# KiCad board pcb.kicad_pcb (continued)
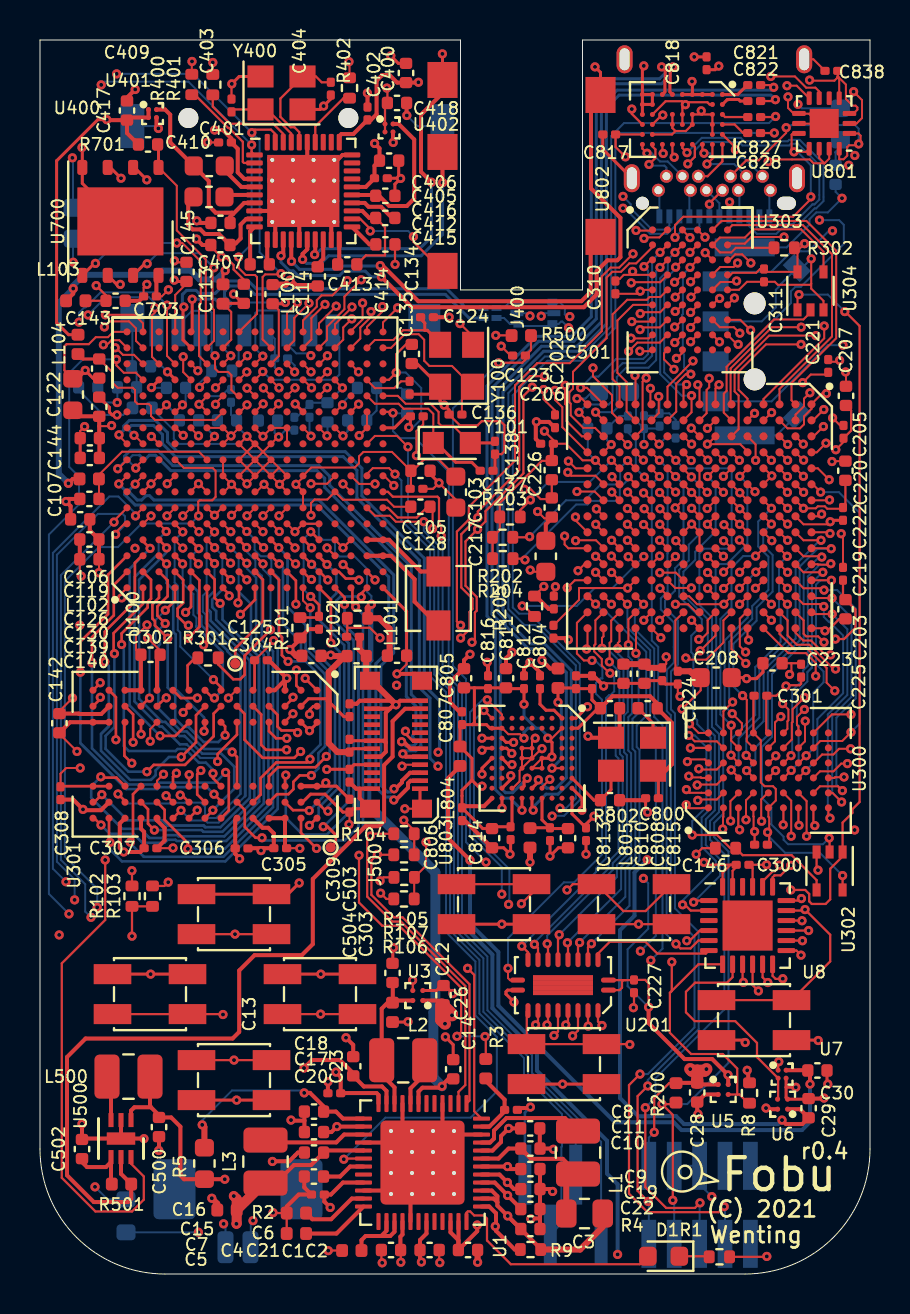
[diagram p0: board, top side]
## Routing (per net, layer and track width the routed paths; a pad name or vN(x,y) marks a point on that pad's centre or on a via; arc(x,y) is an arc through that point) (continued)
CRAMB_A9: length 10.3
  Top w0.1: U303.H3 v1(31.74,46.59) ; U200.F4 34.97,40.7 v1(34.97,40.7)
  In2.Cu w0.1: v1(34.97,40.7) 34.97,41.73 33.8,42.9 32.02,42.9 31.32,43.6 31.32,44.17 30.9,44.59 30.9,45.61 31.02,45.73 31.02,46.24 31.37,46.59 31.73,46.59
CRAMB_A10: length 11.8
  Top w0.1: U200.E3 35.78,41.5 v1(35.78,40.7) ; U303.H4 v1(32.53,46.63)
  In2.Cu w0.1: v1(35.78,40.7) 35.78,41.54 34.21,43.11 32.11,43.11 31.53,43.69 31.53,44.26 31.11,44.68 31.11,45.52 31.23,45.64 31.23,45.82 31.6,46.19 32.07,46.19 32.52,46.63
CRAMB_A11: length 5.6
  Top w0.1: U200.E2 v1(35.73,43.05) ; U303.H5 v1(33.97,46.63)
  In2.Cu w0.1: v1(35.73,43.05) 35.28,43.05 34.37,43.97 34.37,44.66 34.32,44.71 34.32,46.28 v1(33.97,46.63)
CRAMB_A12: length 7.3
  Top w0.1: 31.77,47.37 31.73,47.37 v1(31.73,47.37) ; 31.77,47.37 31.76,47.37 ; 31.77,47.37 U303.G3 ; U200.M3 30.13,42.26 30.13,44.64 v1(30.31,44.82)
  In2.Cu w0.1: v1(30.31,44.82) 30.31,45.61 30.6,45.9 30.6,46.93 31.04,47.37 31.76,47.37
CRAMB_A13: length 5.8
  Top w0.1: v1(30.52,44.3) 30.52,43.56 U200.L1 ; v1(32.53,47.34) 32.51,47.36 U303.G4
  In2.Cu w0.1: 32.51,47.36 32.13,46.98 31.11,46.98 30.81,46.68 30.81,45.81 30.69,45.69 30.69,44.47 v1(30.52,44.3)
CRAMB_A14: length 11.5
  Top w0.1: U303.F3 31.79,48.14 31.76,48.14 v1(31.76,48.15) ; v1(29.39,41.48) 28.97,41.89 U200.N3
  In2.Cu w0.1: 31.77,48.14 31.48,48.43 29.55,48.43 28.13,47.01 28.13,43.87 29.39,42.61 v1(29.39,41.48)
CRAMB_A15: length 7.1
  Top w0.1: v1(32.53,48.1) 32.53,48.1 32.53,48.09 32.88,48.44 U303.F4 ; U200.M1 29.78,44.92 v1(29.75,44.94)
  In2.Cu w0.1: v1(32.53,48.1) 32.2,47.77 32.2,47.76 30.83,47.76 30.39,47.32 30.39,45.99 29.75,45.35 v1(29.75,44.94)
CRAMB_A16: length 6.4
  Top w0.1: U303.E4 32.88,49.19 v1(32.55,48.86) ; v1(32.89,44.48) 32.97,44.39 U200.H1
  In2.Cu w0.1: v1(32.89,44.48) 32.89,44.77 33.17,45.05 33.17,48.38 32.7,48.85 32.5,48.85
CRAMB_A17: length 8.7
  Top w0.1: v1(31.73,49.61) 31.76,49.61 U303.D3 ; U200.H2 33.33,43.06 33.33,44.22 33.46,44.35 v1(33.46,44.8)
  In2.Cu w0.1: v1(33.46,44.8) 33.38,44.88 33.38,48.58 32.71,49.25 32.09,49.25 v1(31.73,49.61)
CRAMB_A18: length 10.8
  Top w0.1: U200.H4 33,41.1 v1(33.39,40.71) ; U303.H1 30.45,46.8 29.56,46.8 v1(29.55,46.81)
  In2.Cu w0.1: v1(33.39,40.71) 32.99,41.11 32.99,41.83 32.91,41.91 31.95,41.91 31.76,42.1 31.5,42.1 31.26,42.34 30.99,42.34 28.95,44.39 28.95,46.21 v1(29.55,46.81)
CRAMB_A19: length 11
  Top w0.1: v1(32.58,41.51) 32.56,41.51 32.18,41.9 ; U303.G2 31,47.35 30.11,47.35 v1(30,47.24)
  In2.Cu w0.1: v1(30,47.24) 29.27,47.24 28.75,46.72 28.75,44.29 30.91,42.13 31.17,42.13 31.41,41.89 31.68,41.89 32.06,41.51 v1(32.58,41.51)
CRAMB_A20: length 5.8
  Top w0.1: v1(36.58,43.09) 36.19,42.7 36.18,42.7 ; v1(34.91,46.5) 34.85,46.5 U303.H6
  In2.Cu w0.1: v1(36.58,43.09) 35.99,43.68 35.39,43.68 34.91,44.16 v1(34.91,46.5)
CRAMB_A21: length 7.4
  Top w0.1: U303.E3 v1(31.76,48.86) ; v1(32.65,45.67) 32.16,45.18 32.16,45.17 31.38,44.38 U200.K1
  In2.Cu w0.1: 31.74,48.86 32.12,48.48 32.72,48.48 32.92,48.28 32.92,45.94 v1(32.65,45.67)
CRAMB_ADVN: length 9.9
  Top w0.1: v1(36.57,40.7) 36.57,40.7 36.18,41.1 ; U303.J3 32.12,46.08 31.83,45.79 v1(31.82,45.8)
  In2.Cu w0.1: v1(36.57,40.7) 36.57,41.07 34.32,43.32 32.19,43.32 31.74,43.77 31.74,44.35 31.32,44.77 31.32,45.41 31.7,45.79 31.83,45.79
CRAMB_CEN: length 8.3
  Top w0.1: U304.2 38.53,48.1 38.17,47.74 36.7,47.74 34.33,45.38 34.33,44.17 34.19,44.03 34.19,43.08 U200.F2
CRAMB_CLK: length 10.8
  Top w0.1: U200.C5 36.97,40.28 v1(37.37,39.89) ; U303.J2 31.2,46.05 31.2,45.75 v1(31.7,45.25)
  In2.Cu w0.1: v1(31.7,45.25) 31.95,45 31.95,43.86 32.28,43.53 34.51,43.53 36.98,41.06 36.98,40.28 v1(37.37,39.89)
CRAMB_CRE: length 14.5
  Top w0.1: U303.A6 34.62,52.47 38.14,52.47 39.6,51.01 39.6,46.89 36.97,44.27 U200.C1
CRAMB_DQ0: length 16.9
  Top w0.1: U200.F3 34.93,42.26 34.93,43.94 34.73,44.14 34.73,45.21 36.46,46.94 v1(38.8,46.94) ; v1(37.2,51.87) 35.57,51.87 35.24,51.54 34.44,51.54 U303.B6
  In2.Cu w0.1: v1(37.2,51.87) 37.2,51.27 38.8,49.67 v1(38.8,46.94)
CRAMB_DQ1: length 13.3
  Top w0.1: U200.A2 38.65,42.7 v1(39.19,43.24) ; v1(33.26,51.08) 33.27,51.08 U303.C5
  In2.Cu w0.1: v1(33.26,51.08) 36.14,51.08 37.44,49.78 37.44,46.27 38.92,44.79 38.92,43.51 v1(39.19,43.24)
CRAMB_DQ2: length 11.4
  Top w0.1: U303.C6 34.48,50.72 34.76,51 35.11,51 v1(35.54,50.57) ; U200.B2 37.78,42.98 38.2,43.41 38.2,43.78 v1(38.49,44.08)
  In2.Cu w0.1: v1(38.49,44.08) 38.54,44.12 38.54,44.88 37.23,46.18 37.23,49.69 36.36,50.57 v1(35.54,50.57)
CRAMB_DQ3: length 12.9
  Top w0.1: v1(34.88,50.57) 34.68,50.37 34.01,50.37 33.62,49.98 U303.D5 ; U200.A3 38.68,41.9 v1(39.17,42.39)
  In2.Cu w0.1: v1(34.88,50.57) 35.26,50.19 36.37,50.19 37.02,49.54 37.02,46.09 37.72,45.39 37.72,44.38 37.82,44.28 37.82,43.74 v1(39.17,42.39)
CRAMB_DQ4: length 13.5
  Top w0.1: v1(39.3,41.56) 38.84,41.1 U200.A4 ; U303.E5 34.02,49.62 34.78,49.62 v1(34.83,49.67)
  In2.Cu w0.1: v1(39.3,41.56) 37.61,43.25 37.61,44.19 37.51,44.29 37.51,45.3 36.81,46 36.81,49.43 36.27,49.97 35.13,49.97 v1(34.83,49.67)
CRAMB_DQ5: length 13.6
  Top w0.1: U303.F5 33.95,48.8 v1(33.98,48.8) ; U200.B4 38.16,40.71 v1(38.18,40.71)
  In2.Cu w0.1: v1(33.98,48.8) 34.45,49.27 34.99,49.27 35.21,49.49 36.46,49.49 36.6,49.34 36.6,45.92 37.3,45.22 37.3,44.2 37.4,44.11 37.4,43.02 38.56,41.86 38.56,41.09 v1(38.18,40.71)
CRAMB_DQ6: length 11.4
  Top w0.1: U200.B3 v1(38.17,41.51) ; U303.F6 v1(34.72,48.82)
  In2.Cu w0.1: v1(34.72,48.82) 34.83,48.82 35.26,49.25 36.39,49.25 36.39,45.83 37.09,45.13 37.09,44.11 37.19,44.02 37.19,42.94 38.17,41.96 v1(38.17,41.51)
CRAMB_DQ7: length 10.3
  Top w0.1: U303.G6 35.01,47.72 v1(35.53,47.21) ; v1(38.17,39.9) 38.17,39.91 U200.B5
  In2.Cu w0.1: v1(35.53,47.21) 35.53,46.34 36.88,44.99 36.88,44.03 36.98,43.93 36.98,42.85 37.78,42.05 37.78,40.29 v1(38.17,39.9)
CRAMB_DQ8: length 12.8
  Top w0.1: U303.B1 30.62,51.37 29.81,50.55 29.47,50.55 29.05,50.13 28.62,50.13 28.33,49.84 28.33,46.81 26.65,45.13 26.65,44.28 26.46,44.1 26.46,43.61 26.53,43.54 26.53,42.95 27.17,42.32 27.75,42.32 28.18,41.9
CRAMB_DQ9: length 10.6
  Top w0.1: v1(30.2,50.39) 30.53,50.72 U303.C1 ; 28.18,43.5 27.34,44.33 v1(27.03,44.33)
  Bottom w0.1: v1(30.2,50.39) 30.4,50.19 30.4,46.01 30.16,45.77 28.8,45.77 27.92,44.89 27.59,44.89 v1(27.03,44.33)
CRAMB_DQ10: length 10.8
  Top w0.1: U303.C2 v1(31,50.35) ; v1(27.78,43.11) 27.78,43.09 28.18,42.7
  Bottom w0.1: 30.81,50.17 30.99,50.35 v1(31,50.35) ; 30.81,50.17 30.81,45.71 30.42,45.33 29.3,45.33 28.84,44.87 28.84,43.31 28.64,43.11 v1(27.78,43.11)
CRAMB_DQ11: length 10.2
  Top w0.1: v1(27.65,45.32) 27.65,44.91 28.6,43.96 28.6,43.08 U200.N2 ; v1(29.56,49.58) 29.59,49.61 31.01,49.61 U303.D2
  In2.Cu w0.1: v1(29.56,49.58) 29.56,48.74 27.65,46.83 v1(27.65,45.32)
CRAMB_DQ12: length 7.9
  Top w0.1: U303.E2 31.02,48.87 30.48,48.87 30.34,48.73 29.36,48.73 28.63,48 28.63,44.76 28.97,44.42 U200.N1
CRAMB_DQ13: length 11.2
  Top w0.1: v1(30.17,40.71) 30.16,40.71 U200.M4 ; v1(30.01,48.04) 30.08,48.11 31.01,48.11 U303.F2
  In2.Cu w0.1: v1(30.01,48.04) 29.46,48.04 28.34,46.92 28.34,44.1 29.77,42.67 29.77,41.11 v1(30.17,40.71)
CRAMB_DQ14: length 7.4
  Top w0.1: U200.M2 29.33,43.14 29.33,44.62 28.87,45.08 28.87,47.69 29.65,48.47 U303.F1
CRAMB_DQ15: length 11.1
  Top w0.1: v1(29.59,47.64) 30.54,47.64 U303.G1 ; 32.18,41.1 32.18,41.08 v1(32.56,40.69)
  In2.Cu w0.1: v1(29.59,47.64) 29.37,47.64 28.55,46.82 28.55,44.19 30.82,41.92 31.08,41.92 31.46,41.54 31.71,41.54 v1(32.56,40.69)
CRAMB_LBN: length 14.3
  Top w0.1: U200.R4 26.11,42.36 26.11,43.36 25.75,43.73 v1(25.75,44.2) ; U303.A1 30.59,52.19 29.81,52.19 v1(29.8,52.2)
  In2.Cu w0.1: v1(25.75,44.2) 25.75,45.53 28.96,48.74 28.96,51.36 v1(29.8,52.2)
CRAMB_OEN: length 13.7
  Top w0.1: U200.R3 27.09,41.9 26.32,42.67 26.32,43.45 26.25,43.52 26.25,44.44 v1(26.26,44.45) ; v1(30.2,51.8) 30.25,51.85 30.97,51.85 31.34,52.22 U303.A2
  In2.Cu w0.1: v1(30.2,51.8) 29.85,51.8 29.17,51.12 29.17,48.65 26.26,45.74 v1(26.26,44.45)
CRAMB_UBN: length 12.1
  Top w0.1: U303.B2 31,51.1 v1(31,51.1) ; v1(26.95,43.1) 27.35,42.7 U200.R2
  Bottom w0.1: v1(26.95,43.1) 27.34,43.49 28.43,43.49 28.63,43.69 28.63,45.06 29.13,45.56 30.24,45.56 30.61,45.93 30.61,50.7 v1(31,51.1)
CRAMB_WAIT: length 10.2
  Top w0.1: U200.G4 33.78,41.1 v1(34.17,40.71) ; v1(29.99,46.16) 30.56,46.16 U303.J1
  In2.Cu w0.1: v1(29.99,46.16) 29.35,45.52 29.35,44.76 31.35,42.76 31.83,42.76 31.9,42.69 33.58,42.69 34.17,42.1 v1(34.17,40.71)
CRAMB_WEN: length 10.5
  Top w0.1: U303.G5 33.99,47.36 34.69,47.36 v1(34.99,47.06) ; U200.C4 37.38,40.7 v1(37.38,40.7)
  In2.Cu w0.1: v1(37.38,40.7) 37.38,40.96 36.19,42.15 36.19,43.13 35.85,43.47 35.16,43.47 34.57,44.06 34.57,44.75 34.52,44.8 34.52,46.88 34.7,47.06 v1(34.99,47.06)
CSI_D0: length 20.1
  Top w0.1: 28.18,35.5 28.18,35.53 27.81,35.9 ; U100.L13 v1(12.75,44.33)
  In2.Cu w0.1: v1(12.75,44.33) 13.17,43.91 18.83,43.91 22.91,39.84 22.91,39.64 23.92,38.63 23.92,37.99 24.42,37.49 24.73,37.49 26.16,36.06 27.62,36.06 v1(27.78,35.9)
CSI_D1: length 18.8
  Top w0.1: U100.M15 v1(13.55,45.12) ; v1(26.77,37.86) 26.77,37.7 U200.R9
  In2.Cu w0.1: v1(26.77,37.86) 26.01,38.63 26.01,39 21.23,43.78 21.23,43.91 20.66,44.48 20.53,44.48 19,46 15.46,46 14.99,45.53 14.06,45.53 13.66,45.12 v1(13.55,45.12)
CSI_D2: length 21.9
  Top w0.1: U100.J12 11.15,43.53 v1(11.16,43.53) ; U200.R12 26.74,34.7 v1(26.36,34.32)
  In2.Cu w0.1: v1(11.16,43.53) 11.16,43.28 11.93,42.51 14.07,42.51 14.12,42.46 17.98,42.46 18.26,42.74 18.82,42.74 22.07,39.49 22.07,39.29 23.08,38.28 23.08,37.14 24.12,36.1 24.61,36.1 26.36,34.35 v1(26.36,34.32)
CSI_D3: length 20.9
  Top w0.1: v1(26.9,35.18) 27.22,35.5 U200.R11 ; v1(11.92,43.53) 11.92,43.5 U100.K12
  In2.Cu w0.1: v1(26.9,35.18) 26.15,35.18 24.83,36.5 24.31,36.5 23.5,37.31 23.5,38.45 22.49,39.47 22.49,39.67 18.7,43.45 17.36,43.45 16.79,42.88 14.29,42.88 14.24,42.93 12.48,42.93 11.92,43.49 v1(11.92,43.53)
CSI_D4: length 22.1
  Top w0.1: v1(27.78,35.1) 27.78,35.09 28.18,34.7 ; U100.K14 v1(11.95,44.33)
  In2.Cu w0.1: v1(11.95,44.33) 12.33,43.94 12.33,43.39 12.58,43.14 14.33,43.14 14.38,43.09 16.7,43.09 17.27,43.66 18.79,43.66 22.7,39.75 22.7,39.56 23.71,38.54 23.71,37.9 24.33,37.28 24.63,37.28 26.12,35.79 27.09,35.79 v1(27.78,35.1)
CSI_D5: length 24.1
  Top w0.1: v1(11.17,44.32) 11.17,44.31 U100.K13 ; v1(28.58,35.09) 28.59,35.09 U200.N12
  In2.Cu w0.1: v1(11.17,44.32) 11.54,43.95 11.54,43.19 12.01,42.72 14.15,42.72 14.2,42.67 17.89,42.67 18.17,42.95 18.91,42.95 22.28,39.58 22.28,39.38 23.29,38.37 23.29,37.22 24.21,36.3 24.7,36.3 26.29,34.71 28.2,34.71 v1(28.58,35.09)
CSI_D6: length 24.3
  Top w0.1: U100.L16 12.71,46.69 12.71,47.82 v1(13.45,48.56) ; U200.M9 29.38,37.5 v1(29.37,37.5)
  In2.Cu w0.1: v1(29.37,37.5) 28.99,37.88 27.62,37.88 27.04,38.45 26.87,38.45 26.43,38.9 26.43,39.17 21.65,43.96 21.65,44.08 20.83,44.9 20.71,44.9 19.12,46.48 14.94,46.48 13.45,47.97 v1(13.45,48.56)
CSI_D7: length 21.3
  Top w0.1: 28.18,38.7 27.73,39.14 v1(26.85,39.14) ; U100.M16 13.57,46.74 13.57,47.82 v1(14.25,48.5)
  In2.Cu w0.1: v1(14.25,48.5) 14.25,47.47 15.03,46.69 19.21,46.69 20.79,45.11 20.92,45.11 21.86,44.17 21.86,44.04 26.76,39.14 v1(26.85,39.14)
CSI_D8: length 20.8
  Top w0.1: U200.M10 29.38,36.7 v1(29.37,36.7) ; v1(14.37,45.93) 14.37,45.92 13.97,45.53 U100.N15
  In2.Cu w0.1: v1(29.37,36.7) 28.98,37.09 27.55,37.09 27.18,37.46 27.18,38.02 26.96,38.24 26.79,38.24 26.22,38.81 26.22,39.08 21.44,43.87 21.44,43.99 20.74,44.69 20.62,44.69 19.09,46.21 14.65,46.21 v1(14.37,45.93)
CSI_D9: length 19.3
  Top w0.1: U100.N17 13.95,47.55 v1(14.81,48.41) ; 28.18,39.5 28.18,39.53 27.77,39.93 26.56,39.93 v1(26.39,40.1)
  In2.Cu w0.1: v1(26.39,40.1) 26.22,40.1 21,45.32 20.88,45.32 19.3,46.9 15.39,46.9 14.81,47.48 v1(14.81,48.41)
CSI_D10: length 20.9
  Top w0.1: v1(15.59,47.77) 15.16,47.34 15.16,46.73 U100.P16 ; v1(29.37,38.29) 29.76,37.9 U200.M8
  In2.Cu w0.1: v1(15.59,47.77) 16.04,47.32 19.47,47.32 21.05,45.74 21.18,45.74 23.69,43.22 24.81,43.22 26.81,41.22 26.81,39.88 28.4,38.29 v1(29.37,38.29)
CSI_D11: length 19.8
  Top w0.1: v1(16.13,48.57) 16.13,47.75 15.55,47.17 U100.R17 ; U200.N7 28.97,38.72 v1(28.59,39.11)
  In2.Cu w0.1: v1(28.59,39.11) 28.08,39.11 27.02,40.17 27.02,41.31 24.89,43.43 23.77,43.43 21.26,45.95 21.14,45.95 19.56,47.53 16.4,47.53 16.13,47.8 v1(16.13,48.57)
CSI_D12: length 19.9
  Top w0.1: v1(16.55,48.14) 16.55,47.88 16.01,47.34 16.01,46.79 U100.R16 ; U200.M7 29.78,38.72 v1(29.38,39.11)
  In2.Cu w0.1: v1(29.38,39.11) 28.99,39.5 28.27,39.5 27.23,40.54 27.23,41.4 24.98,43.64 23.86,43.64 21.35,46.16 21.23,46.16 19.64,47.74 16.95,47.74 v1(16.55,48.14)
CSI_D13: length 17.1
  Top w0.1: v1(15.92,45.12) 15.55,45.5 U100.R15 ; 28.18,36.3 28.18,36.33 27.8,36.7 26.8,36.7 v1(26.78,36.68)
  In2.Cu w0.1: v1(26.78,36.68) 26.78,36.96 25.59,38.15 25.59,38.82 20.81,43.61 20.81,43.73 20.48,44.06 20.36,44.06 19.8,44.61 16.44,44.61 v1(15.92,45.12)
CSI_D14: length 17.4
  Top w0.1: U200.N6 28.97,39.5 v1(28.6,39.88) ; v1(17.12,48.39) 17.12,48.15 16.35,47.38 U100.T17
  In2.Cu w0.1: v1(17.12,48.39) 17.56,47.95 19.73,47.95 21.31,46.37 21.44,46.37 23.95,43.85 25.18,43.85 28.15,40.88 28.15,40.33 v1(28.6,39.88)
CSI_D15: length 19.7
  Top w0.1: U100.N13 13.95,43.92 v1(14.36,44.33) ; v1(28.57,35.91) 28.97,35.5 U200.N11
  In2.Cu w0.1: v1(14.36,44.33) 14.54,44.33 14.97,44.76 15.26,44.76 15.9,44.12 18.91,44.12 23.11,39.92 23.11,39.8 24.12,38.78 24.12,38.1 24.53,37.69 24.83,37.69 26.24,36.28 28.2,36.28 v1(28.57,35.91)
CSI_HSYNC: length 19.1
  Top w0.1: U200.R10 26.42,36.3 26.23,36.49 v1(26.23,36.91) ; v1(13.58,44.33) 13.17,44.72 U100.M14
  In2.Cu w0.1: v1(26.23,36.91) 25.38,37.76 25.38,38.74 20.6,43.52 20.6,43.64 20.39,43.85 20.27,43.85 19.71,44.4 16,44.4 15.43,44.97 14.81,44.97 14.57,44.73 13.98,44.73 v1(13.58,44.33)
CSI_PCLK: length 17.7
  Top w0.1: U200.R5 26.78,40.3 v1(26.42,40.66) ; U100.P17 14.75,47.5 15.6,48.35 v1(15.6,48.37)
  In2.Cu w0.1: v1(26.42,40.66) 25.96,40.66 21.09,45.53 20.97,45.53 19.38,47.11 15.69,47.11 15.2,47.6 15.2,47.97 v1(15.6,48.37)
CSI_VSYNC: length 19.9
  Top w0.1: v1(14.37,45.13) 14.37,45.12 13.95,44.7 U100.N14 ; U200.N10 28.97,36.31 v1(28.58,36.7)
  In2.Cu w0.1: v1(28.58,36.7) 27.34,36.7 25.8,38.24 25.8,38.91 21.02,43.69 21.02,43.82 20.57,44.27 20.44,44.27 18.92,45.79 15.55,45.79 15.08,45.32 14.56,45.32 v1(14.37,45.13)
DP_PWR_EN: length 11.8
  Top w0.11: U8.8 34.63,14.85 34.35,14.57 32.75,14.57 32.3,14.12 32.3,13.09 32.74,12.65 34.76,12.65 35.85,11.56 35.85,10.85 U7.B1 36.91,8.77 U6.B2
FPGA_DONE: length 25.2
  Top w0.1: v1(33.38,39.89) 33.78,40.28 U200.G5
  Top w0.11: v1(32.68,18.6) 32.76,18.68 U8.1
  Bottom w0.1: v1(33.38,39.89) 33.78,39.49 33.78,37.15 32.76,36.13 32.76,35.72 32.17,35.13 32.17,33.97 33.39,32.75 33.39,27.27 33.74,26.92 33.74,23.19 33.29,22.74 33.29,21.46 34.01,20.74 34.01,19.93 v1(32.68,18.6)
FPGA_INIT: length 26.5
  Top w0.1: U200.L5 30.57,40.28 v1(30.97,39.89)
  Top w0.11: U8.5 32.92,16.68 32.52,16.28 32.03,16.28 v1(31.8,16.51)
  Bottom w0.1: v1(31.8,16.51) 31.33,16.98 31.33,27.86 30.91,28.28 30.91,31.37 30.59,31.69 30.59,39.51 v1(30.97,39.89)
FPGA_KEY_EN: length 6.4
  Top w0.11: U8.6 33.29,16.03 30.86,16.03 30.27,16.62 28.49,16.62 27.9,16.03 27.9,15.72
FPGA_PWR_EN: length 27.9
  Top w0.11: v1(18.63,14.69) 18.64,14.68 U3.B2 ; 31.5,14.06 31.59,14.16 v1(31.59,15.61) ; 31.5,14.06 32.92,15.49 U8.7 ; 31.5,14.06 31.5,12.06 32.55,11.01 34.13,11.01 34.86,10.28 34.86,8.98 ; 35.41,8.55 34.97,8.98 34.86,8.98 ; U5.B2 34.86,8.98
  In2.Cu w0.11: v1(31.59,15.61) 31.67,15.61 31.68,15.6 31.37,15.29 26.16,15.29 25.05,14.18 21.3,14.18 20.79,14.69 v1(18.63,14.69)
FPGA_RAM_EN: length 43.9
  Top w0.1: U304.1 37.88,48.92 v1(37.95,48.99)
  Top w0.11: U8.4 32.99,17.18 32.48,16.67 v1(32.34,16.67) ; v1(37.54,19.21) 38.26,19.21 38.46,19.01 38.46,18.64 38.59,18.51 39.28,18.51 39.51,18.74 39.51,20.27 40.13,20.89 U302.1 40.13,22.58 40.62,23.07 40.62,23.25 40.98,23.61 40.98,47.42 40.25,48.15 v1(40.24,48.14)
  In2.Cu w0.11: v1(37.54,19.21) 37.29,18.96 34.63,18.96 v1(32.34,16.67)
  Bottom w0.1: v1(37.95,48.99) 39.39,48.99 v1(40.24,48.14)
FPGA_RST: length 26.3
  Top w0.1: 32.18,40.3 32.18,40.27 v1(32.57,39.87)
  Top w0.11: U8.2 32.53,18.18 32.24,18.47 v1(32.13,18.47)
  Bottom w0.1: v1(32.13,18.47) 32.13,18.68 33.8,20.35 33.8,20.65 33.08,21.37 33.08,22.83 33.53,23.28 33.53,26.83 32.86,27.5 32.86,27.7 32.67,27.89 32.67,30.99 32.56,31.1 32.56,31.93 33.09,32.46 33.09,32.75 31.96,33.88 31.96,35.22 32.44,35.7 32.44,36.48 32.97,37.01 32.97,39.47 v1(32.57,39.87)
FSPI_1A_CS: length 10.4
  Top w0.1: U100.F17 8.29,47.19 8.29,50.75 6.84,52.2 6.84,54.44 U700.1
  Top w0.15: U700.1 5.92,56.45 R701.2
FSPI_1A_D0: length 12.3
  Top w0.1: 7.11,51.58 8.04,50.65 8.04,48.6 7.95,48.51 7.95,45.92 U100.F15
  Top w0.11: 7.11,51.57 v1(6.84,51.57)
  Top w0.15: v1(2.77,50.55) 2.72,50.55 U700.5
  Bottom w0.1: v1(2.77,50.55) 3.79,51.57 v1(6.84,51.57)
FSPI_1A_D1: length 16.1
  Top w0.1: v1(10.37,45.93) 9.97,45.53 U100.H15
  Top w0.15: U700.2 4.72,55.35 v1(5.34,54.73)
  In2.Cu w0.1: v1(5.34,54.73) 4.63,54.02 4.63,47.62 6.9,45.35 7.37,45.35 7.71,45.69 8.19,45.69 8.51,45.37 9.81,45.37 v1(10.37,45.93)
FSPI_1A_D2: length 16.7
  Top w0.1: v1(10.34,45.12) 10.34,45.11 U100.H14
  Top w0.15: U700.3 3.51,55.35 v1(4.05,54.81)
  In2.Cu w0.1: v1(4.05,54.81) 4.39,54.47 4.39,47.08 5.27,46.21 5.27,45.64 6.19,44.71 7.35,44.71 7.4,44.77 9.99,44.77 v1(10.34,45.12)
FSPI_1A_D3: length 9
  Top w0.1: v1(8.69,50.33) 8.62,50.27 8.62,48.3 8.7,48.22 8.7,46.68 U100.F16
  Top w0.15: U700.7 5.24,50.53 v1(5.36,50.53)
  Bottom w0.1: v1(8.69,50.33) 7.96,51.06 5.88,51.06 v1(5.36,50.53)
FSPI_1A_SCK: length 10.3
  Top w0.1: v1(8.78,44.33) 9.15,44.7 U100.G14
  Top w0.15: U700.6 3.84,49.5 v1(4.01,49.5)
  In2.Cu w0.1: v1(8.78,44.33) 8.37,43.92 6.63,43.92 5.02,45.53 5.02,46.1 4.01,47.11 v1(4.01,49.5)
FSPI_2A_CS: length 47.6
  Top w0.1: U200.L11 30.57,35.5 v1(30.98,35.91) ; v1(3.22,47.37) 3.5,47.65 4.45,47.65 4.8,47.3 4.8,46.68 U100.B16
  In2.Cu w0.1: v1(3.22,47.37) 2.79,46.94 2.79,46.3 3.07,46.02 3.07,42.19 3.84,41.42 6.13,41.42 6.93,40.62 18,40.62 19.07,39.55 19.07,39.31 19.66,38.72 19.82,38.72 21.07,37.47 21.07,36.9 21.52,36.45 21.92,36.45 24.91,33.46 26.72,33.46 27.17,33.91 ; v1(30.98,35.91) 31.45,35.44 31.45,34.2 31.16,33.91 27.17,33.91 ; 31.1,33.91 27.17,33.91
FSPI_2A_D0: length 51.5
  Top w0.1: v1(31.77,33.5) 32.41,33.5 32.81,33.1 U200.H14 ; v1(5.75,48.33) 5.75,48.1 5.6,47.95 5.6,45.88 U100.C15
  In2.Cu w0.1: v1(2.4,47.97) 2.35,47.92 2.35,47.42 1.84,46.92 1.84,40.81 3.6,39.05 14.11,39.05 15.02,38.14 17.06,38.14 22.85,32.36 26.74,32.36 27.05,32.05 29.66,32.05 30.26,31.45 31.36,31.45 31.77,31.86 v1(31.77,33.5)
  Bottom w0.1: v1(2.4,47.97) 3.29,48.86 5.45,48.86 5.75,48.56 v1(5.75,48.33)
FSPI_2A_D1: length 44.7
  Top w0.1: v1(32.58,32.7) 32.58,32.69 U200.H15 ; v1(3.27,47.98) 4.72,47.98 5.15,47.55 U100.B17
  In2.Cu w0.1: v1(3.27,47.98) 2.77,47.48 2.77,47.25 2.58,47.06 2.58,45.84 2.86,45.56 2.86,41.87 3.71,41.02 5.96,41.02 6.57,40.41 17.91,40.41 18.86,39.46 18.86,39.22 19.57,38.51 19.73,38.51 20.86,37.38 20.86,36.82 21.44,36.24 21.83,36.24 24.82,33.25 27,33.25 27.14,33.12 30.66,33.12 31.5,33.96 32.02,33.96 32.37,33.61 32.37,32.91 v1(32.58,32.7)
FSPI_2A_D2: length 37.5
  Top w0.1: U100.B15 4.7,45.97 4.15,45.97 3.79,46.33 v1(3.76,46.33) ; 32.18,34.7 31.79,35.08 v1(30.99,35.08)
  In2.Cu w0.1: v1(30.99,35.08) 29.21,35.08 28.51,34.38 27.05,34.38 26.55,33.88 25.08,33.88 22.09,36.87 21.7,36.87 21.5,37.07 21.5,37.63 19.99,39.14 19.83,39.14 19.5,39.47 19.5,39.71 18.14,41.07 7.28,41.07 4.2,44.15 4.2,45.92 3.79,46.33 v1(3.76,46.33)
FSPI_2A_D3: length 37.1
  Top w0.1: U200.K13 31.38,33.92 v1(31,34.3) ; v1(3.17,46.48) 3.35,46.48 3.58,46.71 3.96,46.71 U100.A16
  In2.Cu w0.1: v1(3.17,46.48) 3.28,46.37 3.28,44.78 7.23,40.83 18.08,40.83 19.28,39.63 19.28,39.39 19.74,38.93 19.9,38.93 21.29,37.54 21.29,36.98 21.61,36.66 22,36.66 24.99,33.67 26.63,33.67 27.13,34.17 28.63,34.17 29.17,34.71 30.59,34.71 v1(31,34.3)
FSPI_2A_SCK: length 61.9
  Top w0.1: U200.F5 34.57,40.3 v1(34.17,39.9) ; U200.K12 31.76,34.32 v1(32.57,34.32) ; v1(6.35,48.46) 6.35,45.92 U100.D15
  In2.Cu w0.1: v1(34.17,39.9) 33.77,39.5 33.77,36.84 32.57,35.63 v1(32.57,34.32) 32.57,34.31 32.57,33.4 32.99,32.98 32.99,32.46 32.42,31.89 32.16,31.89 ; 32.16,31.89 31.52,31.25 30.18,31.25 29.58,31.85 26.96,31.85 26.66,32.16 22.76,32.16 16.99,37.93 14.93,37.93 14.02,38.84 3.49,38.84 1.63,40.7 1.63,47.3 v1(1.95,47.61) ; 32.16,31.89 32.35,31.89
  Bottom w0.1: v1(6.35,48.46) 5.71,49.1 3.03,49.1 2.28,48.35 2.22,48.35 1.95,48.08 v1(1.95,47.61)
I2C1_SCL: length 101.9
  Top w0.1: U100.K16 11.13,46.75 11.13,49.87 11.26,50 12.01,50 v1(12.05,50.04)
  Top w0.11: U400.39 11.76,57.02 11.55,57.24 10.74,57.24 v1(10.59,57.09) ; v1(4.59,20.17) 4.6,20.17 R102.2 ; v1(37.54,20.44) 37.44,20.44 37.43,20.43 37.43,20.34 37.03,19.94 36.73,19.94 36.63,19.84 U8.19
  In2.Cu w0.1: v1(3.83,60.03) 3.83,58.84 0.73,55.74 0.73,22.44 3,20.17 v1(4.59,20.17)
  In2.Cu w0.11: v1(37.54,20.44) 37.1,20.88 34.13,20.88 33.42,20.18 29.99,20.18 29.78,19.97 18.35,19.97 18.05,20.27 10.36,20.27 10.26,20.17 v1(4.59,20.17)
  Bottom w0.1: v1(12.05,50.04) 10.98,51.11 10.98,56.7 v1(10.59,57.09) 7.65,60.03 v1(3.83,60.03)
I2C1_SDA: length 99.1
  Top w0.1: U100.H17 10.85,48.03 10.85,49.87 10.75,49.97 10.28,49.97 9.93,50.32 v1(9.93,50.87)
  Top w0.11: v1(6.41,19.6) 6.22,19.41 R103.2 ; U8.20 36.13,19.64 36.64,20.15 36.74,20.15 36.97,20.38 v1(36.97,20.45) ; 10.72,55.98 10.58,56.12 v1(10.58,56.48)
  In2.Cu w0.1: v1(3.06,59.48) 3.06,58.66 0.52,56.12 0.52,22.35 3.27,19.6 9.98,19.6 10.45,20.06 17.96,20.06 18.43,19.59 29.7,19.59 29.89,19.4 33.69,19.4 33.88,19.59 36.11,19.59 v1(36.97,20.45)
  Bottom w0.1: v1(3.06,59.48) 3.22,59.64 7.42,59.64 v1(10.58,56.48) 10.58,51.52 v1(9.93,50.87)
I2C3_SCL: length 89.6
  Top w0.1: v1(36.54,59.9) 37.75,59.9 38.31,59.34 38.77,59.34 38.96,59.15 U801.6 ; v1(7.16,41.95) 6.78,42.33 U100.D11
  Top w0.11: U1.2 20.92,9.11 21.27,9.45 21.27,14.41 18.04,17.63 17.61,17.63 16.36,18.88 16.36,21.75 v1(16.51,21.91) 16.63,22.02 R104.2 ; U802.H4 31.09,57.97 v1(31.14,57.97) ; v1(25.23,44.91) 24.5,44.91 23.96,44.37 23.96,40.21 21.89,38.14 v1(21.89,37.83) 21.06,37 21.06,34.34 21.63,33.78 21.63,33.27 21.48,33.12 21.48,32.26 v1(21.03,31.81)
  In2.Cu w0.1: v1(21.03,31.81) 18.55,29.33 18.55,29.25 18.16,28.85 17.56,28.85 16.71,28.01 16.71,22.1 v1(16.51,21.91) ; 33.63,58.94 35.58,58.94 v1(36.54,59.9) ; v1(7.16,41.95) 7.83,41.28 17.69,41.28 18.17,41.75 18.57,41.75 21.04,39.28 21.04,38.68 v1(21.89,37.83) ; v1(25.23,44.91) 25.23,47.21 26.29,48.27 27.48,48.27 28.11,48.9 28.11,56.09 29.99,57.97 v1(31.14,57.97)
  In2.Cu w0.11: 33.63,58.94 32.11,58.94 v1(31.14,57.97)
I2C3_SDA: length 89.9
  Top w0.1: U801.7 37.83,59.44 v1(37.35,59.44) ; U100.E11 7.55,42.3 v1(7.92,41.92)
  Top w0.11: U1.1 21.48,8.68 21.48,14.49 18.13,17.84 17.69,17.84 16.57,18.96 16.57,20.69 v1(16.87,20.99) 16.89,20.97 R105.2 ; v1(21.6,31.6) 21.74,31.74 21.74,33.09 21.84,33.18 21.84,33.86 21.27,34.43 21.27,36.64 v1(21.88,37.25) 22.28,37.65 22.28,38.15 24.17,40.05 24.17,43.92 v1(24.61,44.36) ; v1(29.59,58.27) 29.59,58.03 U802.J4
  In2.Cu w0.1: v1(37.35,59.44) 37.35,59.71 36.75,60.31 36.13,60.31 35.01,59.19 31.03,59.19 30.11,58.27 v1(29.59,58.27) 27.9,56.58 27.9,48.98 27.4,48.48 26.2,48.48 24.61,46.89 v1(24.61,44.36) ; v1(16.87,20.99) 16.91,21.03 16.91,27.52 17.49,28.09 17.96,28.09 21.28,31.42 21.42,31.42 v1(21.6,31.6) ; v1(7.92,41.92) 8.36,41.49 16.28,41.49 16.75,41.96 19.29,41.96 21.86,39.4 21.86,39.14 22.49,38.5 22.49,37.86 v1(21.88,37.25)
I2C4_SCL: length 58.4
  Top w0.1: v1(4.78,37.92) 4.78,37.95 U100.B6 ; v1(22.36,28.72) 23.1,27.98 U803.H1
  Top w0.11: R107.2 17.17,19.84 v1(17,19.67)
  In2.Cu w0.11: v1(23.09,19) 18.7,19 18.03,19.67 15.57,19.67 15,19.1 1.82,19.1 v1(1.3,19.62)
  Bottom w0.1: v1(22.36,28.72) 22.12,28.72 21.5,28.1 21.5,21.94 23.09,20.35 v1(23.09,19) ; v1(1.3,19.62) 0.65,20.27 0.65,36.07 3.47,38.89 3.92,38.89 4.78,38.03 v1(4.78,37.92)
I2C4_SDA: length 57.9
  Top w0.1: U100.A5 4.22,37.53 3.78,37.09 v1(3.78,37) ; U803.J1 22.21,28.19 v1(22.2,28.19)
  Top w0.11: R106.2 17.32,18.76 v1(17.03,19.05)
  In2.Cu w0.11: v1(1.73,18.71) 1.77,18.75 15.32,18.75 15.62,19.05 v1(17.03,19.05) 18.24,19.05 18.78,18.51 23.41,18.51 v1(23.43,18.49)
  Bottom w0.1: v1(22.2,28.19) 21.7,27.69 21.7,22.02 23.47,20.25 23.47,18.53 v1(23.43,18.49) ; v1(3.78,37) 4.25,37.47 4.25,37.9 4.13,38.02 2.89,38.02 0.85,35.97 0.85,20.62 1.73,19.74 v1(1.73,18.71)
IPSOUT: length 109.5
  Top w0.1: U100.N5 U100.M5 ; U100.L5 12.36,37.53 v1(12.75,37.13) 13.14,37.53
  Top w0.2: v1(14.51,3.33) 14.22,3.62 14.22,3.97 14.55,3.97 15.14,4.58 U1.21 ; v1(9.24,4.74) 9.24,4.74 R5.1 7.21,4.74 ; U1.7 18.92,9.12 19.12,9.32 19.98,9.32 ; 7.21,4.74 7.02,4.93 7.02,7.37 6.56,7.83 C500.1 5.95,7.94 5.55,8.34 ; 7.21,4.74 7.16,4.79 ; U1.40 22.73,4.58 v1(23.38,3.93) 24.04,3.27 C22.2 ; U1.44 22.62,6.17 23.05,6.6 23.05,6.9 v1(23.43,7.28) C11.2 ; C2.1 20.92,1.2 U1.35 ; C2.1 20.92,1.69 20.53,2.08 U1.34 ; C2.1 21.86,2.14 v1(21.86,2.45) ; v1(20.1,9.39) 20.03,9.32 19.98,9.32 ; C17.2 14.57,7.1 v1(14.84,7.38) U1.14 ; 5.55,8.34 4.72,8.34 4.55,8.17 U500.1 ; 5.55,8.34 5.5,8.39 L500.1 ; C14.2 20.42,9.76 19.98,9.32